# KiCad board 8851_HW-U1-VCU118_REV2-0_071417.kicad_pcb (continued)
## Routing (per net, layer and track width the routed paths; a pad name or vN(x,y) marks a point on that pad's centre or on a via; arc(x,y) is an arc through that point) (continued)
PCIE_TX5_C_N: length 14.7
  TOP w0.145: v3(85.09,15.33) 85.16,15.4 85.16,16.7
  10_GND w0.16: v3(85.09,15.33) 84.77,15.01 arc(84.74,14.96) 84.72,14.9 84.72,14.7 arc(85.16,14.79) 84.79,14.54 arc(84.89,14.39) 84.92,14.21 84.92,6.2 arc(84.97,5.99) 85.08,5.82 85.14,5.76 arc(85.25,5.6) 85.29,5.41 U2.A40
PCIE_TX5_C_P: length 15.9
  TOP w0.145: 84.03,16.7 84.03,15.4 v3(84.1,15.33)
  10_GND w0.16: U2.A39 84.3,5.52 arc(84.32,5.62) 84.38,5.7 84.52,5.85 arc(84.63,6.01) 84.67,6.19 84.67,14.21 arc(84.65,14.29) 84.61,14.35 arc(85.4,14.88) 84.46,14.7 84.46,14.9 arc(84.45,14.96) 84.42,15.01 v3(84.1,15.33)
PCIE_TX5_N: length 60.2
  TOP w0.145: 85.16,17.69 85.16,18.67 v3(85.09,18.74) ; v2(123.26,47.09) 122.77,47.58
  07_SIG3 w0.18: v3(85.09,18.74) 84.81,19.01 arc(85.31,19.34) 84.72,19.23 84.72,19.39 arc(84.8,19.57) 84.99,19.65 86.28,19.65 arc(86.56,19.7) 86.79,19.86 87.04,20.11 arc(87.23,20.19) 87.42,20.11 87.44,20.09 arc(87.82,20.09) 87.82,20.47 87.8,20.49 arc(88.18,20.49) 88.18,20.87 88.24,20.81 arc(88.62,20.81) 88.62,21.2 88.56,21.25 arc(89.02,21.44) 88.56,21.63 89.88,22.95 arc(90.04,23.06) 90.23,23.09 94.18,23.09 arc(95.42,23.34) 96.47,24.04 99.7,27.27 arc(100.16,27.58) 100.7,27.68 103.15,27.68 arc(103.64,27.78) 104.06,28.06 106.64,30.64 arc(107,31.18) 107.13,31.83 arc(107.18,32.16) 107.34,32.47 arc(107.39,32.53) 107.45,32.6 109.38,34.53 arc(109.61,34.68) 109.88,34.74 111.26,34.74 arc(111.59,34.8) 111.86,34.98 117.09,40.22 arc(117.29,40.45) 117.44,40.73 arc(117.45,40.76) 117.46,40.79 117.46,40.79 arc(117.49,40.91) 117.5,41.03 117.5,41.37 arc(118.22,41.22) 117.61,41.63 117.74,41.76
  07_SIG3 w0.234: 117.74,41.76 arc(117.82,41.89) 117.85,42.04 117.85,42.25 arc(117.86,42.34) 117.89,42.42 arc(117.9,42.43) 117.9,42.45 arc(117.91,42.45) 117.91,42.45 arc(117.92,42.47) 117.92,42.48 arc(117.93,42.48) 117.93,42.48 arc(117.94,42.5) 117.96,42.53 arc(118.11,42.63) 118.29,42.66 arc(118.51,42.7) 118.7,42.83 118.76,42.89 arc(118.82,42.98) 118.84,43.07 arc(118.85,43.22) 118.89,43.36 arc(119.04,43.57) 119.29,43.64 120.42,43.64 arc(120.69,43.76) 120.8,44.03 120.8,45.13 arc(120.83,45.26) 120.9,45.37 121.01,45.48 arc(121.16,45.58) 121.34,45.61 arc(121.66,45.74) 121.79,46.06 arc(121.95,46.44) 122.32,46.6 122.77,46.6 arc(123.12,46.74) v2(123.26,47.09)
PCIE_TX5_P: length 58.2
  TOP w0.145: v3(84.1,18.74) 84.03,18.67 84.03,17.69 ; v2(123.26,48.07) 122.77,48.57
  07_SIG3 w0.18: v3(84.1,18.74) 84.31,18.94 arc(84.39,19.07) 84.42,19.23 84.42,19.39 arc(84.59,19.79) 84.99,19.95 86.28,19.95 arc(86.44,19.98) 86.58,20.07 89.66,23.16 arc(89.92,23.33) 90.23,23.39 94.18,23.39 arc(95.31,23.62) 96.26,24.25 99.49,27.48 arc(100.04,27.85) 100.7,27.98 103.15,27.98 arc(103.53,28.06) 103.85,28.27 106.43,30.85 arc(106.73,31.3) 106.83,31.83 arc(106.9,32.26) 107.1,32.64 107.1,32.67 109.17,34.74 arc(109.5,34.96) 109.88,35.04 111.26,35.04 arc(111.47,35.08) 111.65,35.19 116.88,40.43 arc(117.04,40.62) 117.16,40.84 117.16,41.34 arc(117.11,41.59) 116.97,41.8
  07_SIG3 w0.234: v2(123.26,48.07) 122.94,47.75 arc(122.75,47.63) 122.53,47.58 122.28,47.58 arc(121.93,47.44) 121.79,47.09 121.79,47.04 arc(121.78,46.95) 121.76,46.87 arc(121.59,46.66) 121.32,46.57 121.26,46.57 arc(120.94,46.44) 120.8,46.12 arc(120.66,45.76) 120.3,45.61 arc(119.96,45.47) 119.82,45.13 arc(119.79,44.96) 119.69,44.82 119.6,44.73 arc(119.56,44.69) 119.51,44.66 arc(119.43,44.64) 119.35,44.63 119.23,44.63 arc(118.95,44.51) 118.84,44.23 118.84,44.11 arc(118.7,43.78) 118.38,43.64 117.34,43.64 arc(117.16,43.61) 117.01,43.51 arc(116.88,43.32) 116.84,43.1 116.84,42.12 arc(117.7,42.29) 116.97,41.8
PCIE_TX6_C_N: length 14.3
  TOP w0.145: 89.44,15.13 89.44,13.82 v3(89.37,13.75)
  10_GND w0.16: v3(89.37,13.75) 89.06,13.44 arc(88.91,13.22) 88.86,12.95 88.86,6.06 arc(89.78,6.25) 89,5.73 89.1,5.63 arc(89.19,5.49) 89.22,5.33 U2.A44
PCIE_TX6_C_P: length 11.9
  TOP w0.145: v3(88.39,13.75) 88.32,13.82 88.32,15.13
  10_GND w0.16: U2.A43 88.24,5.42 arc(88.26,5.53) 88.32,5.62 88.46,5.76 arc(88.56,5.91) 88.6,6.1 88.6,13.25 arc(88.54,13.52) v3(88.39,13.75)
PCIE_TX6_N: length 73.8
  TOP w0.145: v3(89.37,17.49) 89.44,17.42 89.44,16.11 ; v2(125.23,47.09) 124.74,47.58
  05_SIG2 w0.18: v3(89.37,17.49) 89.08,17.78 arc(89.38,17.97) 89.03,17.9 89.03,18.26 arc(89.16,18.55) 89.45,18.68 arc(90.25,18.84) 90.93,19.29 91.83,20.19 arc(92.06,20.28) 92.28,20.19 arc(92.5,20.1) 92.72,20.19 92.79,20.26 arc(92.88,20.48) 92.79,20.7 arc(93.32,20.92) 92.79,21.14 93.11,21.47 arc(93.48,21.71) 93.92,21.8 94.31,21.8 arc(94.89,21.92) 95.38,22.25 95.57,22.43 arc(95.76,22.51) 95.95,22.43 arc(96.07,22.38) 96.2,22.43 96.46,22.68 arc(96.51,22.81) 96.46,22.94 arc(96.91,23.13) 96.46,23.32 96.58,23.45 arc(96.77,23.53) 96.96,23.45 arc(97.15,23.37) 97.34,23.45 97.47,23.58 arc(97.55,23.77) 97.47,23.96 arc(97.93,24.15) 97.47,24.34 98.97,25.83 arc(99.78,26.37) 100.73,26.56 103.28,26.56 arc(104.26,26.76) 105.09,27.31 arc(105.75,27.75) 106.53,27.91 110.96,27.91 arc(112.23,28.16) 113.31,28.88 115.01,30.59 arc(115.17,30.82) 115.22,31.09 arc(115.26,31.28) 115.37,31.44 115.59,31.66 arc(115.92,31.88) 116.31,31.96 116.44,31.96 116.44,31.96 arc(117.57,32.23) 118.53,32.88 119.35,33.7 arc(119.6,34.07) 119.68,34.51 119.68,36.76 arc(124.1,35.89) 120.36,38.39 121.05,39.08 arc(121.33,39.5) 121.43,40 121.43,40.25 arc(121.43,40.27) 121.43,40.28 arc(122.12,40.17) 121.53,40.55
  05_SIG2 w0.234: 121.53,40.55 121.65,40.67 arc(121.75,40.82) 121.79,41 121.79,45.13 arc(121.93,45.47) 122.27,45.61 123.48,45.61 arc(123.68,45.69) 123.76,45.89 123.76,46.11 arc(123.9,46.45) 124.24,46.6 arc(124.43,46.63) 124.59,46.74 124.89,47.04 arc(124.94,47.08) 125,47.09 v2(125.23,47.09)
PCIE_TX6_P: length 70.1
  TOP w0.145: v3(88.39,17.49) 88.32,17.42 88.32,16.11 ; v2(125.23,48.07) 124.74,48.57
  05_SIG2 w0.18: v3(88.39,17.49) 88.68,17.78 arc(88.72,17.84) 88.73,17.9 88.73,18.26 arc(88.94,18.77) 89.45,18.98 arc(90.14,19.11) 90.72,19.5 92.9,21.68 arc(93.37,21.99) 93.92,22.1 94.31,22.1 arc(94.78,22.19) 95.17,22.46 98.76,26.04 arc(99.66,26.65) 100.73,26.86 103.28,26.86 arc(104.14,27.03) 104.87,27.52 arc(105.64,28.03) 106.53,28.21 110.96,28.21 arc(112.12,28.44) 113.1,29.1 114.8,30.8 arc(114.89,30.93) 114.92,31.09 arc(114.98,31.4) 115.16,31.65 115.38,31.87 arc(115.81,32.16) 116.31,32.26 arc(116.37,32.26) 116.43,32.26 arc(117.45,32.5) 118.32,33.09 119.14,33.91 arc(119.32,34.18) 119.38,34.51 119.38,36.76 arc(124.37,35.77) 120.14,38.6 120.83,39.29 arc(121.05,39.61) 121.13,40 121.13,40.25 arc(121.1,40.41) 121.01,40.53
  05_SIG2 w0.234: 121.01,40.53 120.9,40.64 arc(120.83,40.75) 120.8,40.88 120.8,46.15 arc(120.93,46.47) 121.25,46.6 123.32,46.6 arc(123.49,46.63) 123.64,46.73 arc(123.73,46.87) 123.76,47.04 123.76,47.26 arc(123.85,47.49) 124.08,47.58 124.5,47.58 arc(124.72,47.63) 124.91,47.75 v2(125.23,48.07)
PCIE_TX7_C_N: length 15.9
  TOP w0.145: 93.73,16.95 93.73,15.65 v3(93.66,15.58)
  10_GND w0.16: v3(93.66,15.58) 93.35,15.26 arc(93.31,15.21) 93.3,15.15 93.3,12.24 arc(93.24,11.95) 93.08,11.7 arc(92.87,11.4) 92.8,11.04 92.8,6.1 arc(93.61,6.26) 92.92,5.8 93.01,5.71 arc(93.12,5.55) 93.16,5.36 U2.A48
PCIE_TX7_C_P: length 13.9
  TOP w0.145: v3(92.68,15.58) 92.61,15.65 92.61,16.95
  10_GND w0.16: v3(92.68,15.58) 92.99,15.26 arc(93.03,15.21) 93.04,15.15 93.04,12.24 arc(93,12.05) 92.89,11.88 arc(92.63,11.49) 92.54,11.04 92.54,5.93 arc(92.53,5.87) 92.5,5.82 92.32,5.64 arc(92.21,5.49) 92.18,5.3 U2.A47
PCIE_TX7_N: length 56.5
  TOP w0.145: 93.73,17.94 93.73,19.24 v3(93.66,19.31) ; 125.73,45.61 v2(126.22,45.12)
  03_SIG1 w0.18: v3(93.66,19.31) 93.33,19.65 arc(93.51,19.77) 93.29,19.73 93.29,19.78 arc(93.29,19.81) 93.3,19.84 arc(93.48,20.2) 93.86,20.35 101.24,20.35 arc(102.21,20.55) 103.03,21.1 arc(103.41,21.35) 103.85,21.44 108.39,21.44 arc(108.98,21.55) 109.49,21.89 110.03,22.44 arc(110.53,22.77) 111.11,22.89 114.94,22.89 arc(115.87,23.07) 116.67,23.6 119.03,25.96 arc(120.22,26.76) 121.63,27.04 123.05,27.04 arc(123.72,27.17) 124.29,27.55 125.96,29.22 arc(126.18,29.54) 126.3,29.92 126.34,30.27 arc(126.34,30.29) 126.34,30.31 126.34,40.48 arc(126.36,40.57) 126.41,40.65 126.43,40.67
  03_SIG1 w0.234: 126.43,40.67 126.61,40.85 arc(126.68,40.96) 126.71,41.09 126.71,45.28 arc(126.46,45.53) 126.22,45.28 v2(126.22,45.12)
PCIE_TX7_P: length 57
  TOP w0.145: 92.61,17.94 92.61,19.24 v3(92.68,19.31) ; 125.73,46.6 v2(126.22,46.11)
  03_SIG1 w0.18: v3(92.68,19.31) 92.79,19.42 arc(92.93,19.62) 92.99,19.86 93,19.86 arc(93.27,20.43) 93.86,20.65 101.24,20.65 arc(102.09,20.82) 102.82,21.31 arc(103.29,21.63) 103.85,21.74 108.39,21.74 arc(108.87,21.83) 109.27,22.1 109.82,22.65 arc(110.41,23.05) 111.11,23.19 114.94,23.19 arc(115.76,23.35) 116.46,23.82 118.81,26.17 arc(120.1,27.03) 121.63,27.34 123.05,27.34 arc(123.6,27.45) 124.08,27.76 125.74,29.43 arc(125.91,29.67) 126,29.95 126.04,30.31 126.04,40.22 arc(126.02,40.41) 125.96,40.59
  03_SIG1 w0.234: v2(126.22,46.11) 125.79,45.68 arc(125.74,45.61) 125.73,45.52 125.73,40.99 arc(126.16,41.07) 125.79,40.83 arc(125.84,40.78) 125.88,40.72 arc(125.92,40.66) 125.96,40.59
PCIE_TX8_C_N: length 15.9
  TOP w0.145: v3(98.08,15.58) 98.15,15.65 98.15,16.95
  10_GND w0.16: U2.A53 98.08,5.25 arc(98.04,5.45) 97.93,5.63 97.85,5.7 arc(98.59,6.19) 97.72,6.02 97.72,6.16 97.72,6.16 97.72,15.02 arc(97.76,15.2) 97.86,15.36 v3(98.08,15.58)
PCIE_TX8_C_P: length 13.8
  TOP w0.145: v3(97.1,15.58) 97.03,15.65 97.03,16.95
  10_GND w0.16: U2.A52 97.1,5.27 arc(97.14,5.48) 97.25,5.65 97.36,5.76 arc(97.43,5.87) 97.46,6 97.46,6.26 97.46,15.02 arc(97.42,15.2) 97.32,15.36 v3(97.1,15.58)
PCIE_TX8_N: length 54.6
  TOP w0.145: 98.15,17.94 98.15,19.24 v3(98.08,19.31) ; v2(127.2,47.09) 126.71,47.58
  05_SIG2 w0.18: v3(98.08,19.31) 97.79,19.6 arc(98.09,19.8) 97.74,19.73 97.74,19.91 arc(97.79,20.03) 97.92,20.09 97.98,20.09 arc(98.16,20.16) 98.23,20.33 98.23,20.56 arc(98.16,20.74) 97.98,20.81 arc(98.16,21.22) 97.74,21.05 97.74,21.28 arc(97.81,21.66) 98.03,21.98 98.62,22.58 arc(98.96,22.8) 99.36,22.88 100.55,22.88 arc(101.05,22.98) 101.48,23.26 101.7,23.48 arc(101.92,23.58) 102.14,23.48 102.27,23.35 arc(102.78,23.35) 102.78,23.86 102.68,23.96 arc(103.29,24.21) 102.68,24.47 103.08,24.87 arc(103.28,25) 103.52,25.05 105.49,25.05 arc(106.28,25.21) 106.95,25.65 107.41,26.11 arc(108.17,26.62) 109.07,26.8 111.07,26.8 arc(113.05,27.19) 114.72,28.31 116.95,30.54 arc(117.4,30.84) 117.92,30.94 arc(118.41,31.04) 118.82,31.31 120.15,32.64 arc(120.7,33.46) 120.89,34.44 120.89,35.86 arc(121.08,36.8) 121.61,37.6 123.14,39.13 arc(123.33,39.41) 123.4,39.74 123.4,40.34 arc(123.42,40.46) 123.48,40.56
  05_SIG2 w0.234: v2(127.2,47.09) 127.11,46.99 arc(126.7,46.72) 126.22,46.62 arc(126.04,46.59) 125.9,46.49 125.79,46.39 arc(125.74,46.31) 125.73,46.22 125.73,45.18 arc(125.56,44.79) 125.18,44.63 125.15,44.63 arc(125.07,44.62) 125,44.6 arc(124.99,44.6) 124.99,44.59 arc(124.99,44.59) 124.99,44.59 arc(124.93,44.56) 124.87,44.51 124.82,44.46 arc(124.79,44.43) 124.77,44.38 arc(125.29,44.21) 124.74,44.27 124.74,44.02 arc(124.63,43.75) 124.37,43.64 arc(123.94,43.47) 123.76,43.03 123.76,40.93 arc(123.74,40.84) 123.68,40.76 123.48,40.56
PCIE_TX8_P: length 64.9
  TOP w0.145: v2(127.2,48.07) 126.71,48.57 ; v3(97.1,19.31) 97.03,19.24 97.03,17.94
  05_SIG2 w0.18: v3(97.1,19.31) 97.39,19.6 arc(97.43,19.66) 97.44,19.73 97.44,21.28 arc(97.54,21.78) 97.82,22.19 98.41,22.79 arc(98.85,23.08) 99.36,23.18 100.55,23.18 arc(100.94,23.26) 101.27,23.48 102.87,25.08 arc(103.17,25.28) 103.52,25.35 105.49,25.35 arc(106.17,25.48) 106.73,25.86 107.19,26.32 arc(108.06,26.9) 109.07,27.1 111.07,27.1 arc(112.93,27.47) 114.51,28.52 116.74,30.75 arc(117.28,31.11) 117.92,31.24 arc(118.29,31.32) 118.61,31.53 119.51,32.42 arc(119.51,32.42) 119.51,32.42 119.94,32.85 arc(120.42,33.58) 120.59,34.44 120.59,35.86 arc(125.91,34.8) 121.4,37.81 122.93,39.34 arc(123.05,39.53) 123.1,39.74 123.1,40.25 arc(123.07,40.41) 122.98,40.53
  05_SIG2 w0.234: 122.98,40.53 122.87,40.64 arc(123.41,41) 122.77,40.88 122.77,43.33 arc(122.86,43.55) 123.09,43.64 123.43,43.64 arc(123.53,43.67) 123.62,43.73 123.63,43.74 arc(123.72,43.87) 123.76,44.03 123.76,44.21 arc(123.88,44.51) 124.17,44.63 arc(124.54,44.76) 124.73,45.1 arc(124.74,45.15) 124.74,45.2 124.74,46.14 arc(124.87,46.46) 125.2,46.59 125.25,46.59 arc(125.52,46.67) 125.71,46.88 arc(125.73,46.93) 125.74,46.98 125.74,47.17 arc(125.85,47.44) 126.11,47.55 126.58,47.55 arc(126.67,47.57) 126.75,47.62 v2(127.2,48.07)
PCIE_TX9_C_N: length 13.1
  TOP w0.145: v3(102.02,14) 102.09,14.07 102.09,15.38
  10_GND w0.16: U2.A57 102.02,5.31 arc(101.98,5.49) 101.88,5.65 101.71,5.81 arc(102.02,6.02) 101.66,5.95 101.66,13.44 arc(101.69,13.63) 101.8,13.78 v3(102.02,14)
PCIE_TX9_C_P: length 12.2
  TOP w0.145: v3(101.03,14) 100.96,14.07 100.96,15.38
  10_GND w0.16: U2.A56 101.03,5.13 arc(101.09,5.41) 101.24,5.64 101.34,5.74 arc(101.38,5.8) 101.4,5.88 101.4,13.13 arc(101.3,13.6) v3(101.03,14)
PCIE_TX9_N: length 50.8
  TOP w0.145: v2(128.19,45.12) 127.69,45.61 ; 102.09,16.36 102.09,17.67 v3(102.02,17.74)
  03_SIG1 w0.18: 128.44,40.71 128.38,40.65 arc(128.33,40.57) 128.31,40.48 128.31,31.39 arc(128,29.82) 127.11,28.48 124.87,26.24 arc(124.43,25.95) 123.92,25.85 123.65,25.85 arc(123.64,25.85) 123.64,25.85 123.07,25.85 arc(122.52,25.74) 122.05,25.43 118.57,21.95 arc(118.1,21.64) 117.55,21.52 111.7,21.52 arc(110.86,21.36) 110.16,20.89 108.32,19.05 arc(107.66,18.61) 106.88,18.45 101.84,18.45 arc(101.71,18.4) 101.65,18.26 101.65,18.15 arc(101.87,18.19) 101.68,18.07 v3(102.02,17.74)
  03_SIG1 w0.234: 128.44,40.71 128.58,40.85 arc(128.65,40.96) 128.68,41.09 128.68,45.27 arc(128.43,45.51) 128.19,45.27 v2(128.19,45.12)
PCIE_TX9_P: length 51.4
  TOP w0.145: v3(101.03,17.74) 100.96,17.67 100.96,16.36 ; 127.69,46.6 v2(128.19,46.11)
  03_SIG1 w0.18: v3(101.03,17.74) 101.2,17.91 arc(101.31,18.07) 101.35,18.26 arc(101.5,18.61) 101.84,18.75 106.88,18.75 arc(107.54,18.89) 108.11,19.26 109.94,21.1 arc(110.75,21.64) 111.7,21.83 117.55,21.83 arc(117.99,21.91) 118.36,22.16 121.84,25.64 arc(122.41,26.02) 123.07,26.15 123.64,26.15 arc(123.65,26.15) 123.65,26.15 123.92,26.15 arc(124.32,26.23) 124.66,26.46 126.89,28.69 arc(127.72,29.93) 128.01,31.39 128.01,40.22 arc(127.97,40.48) 127.86,40.71
  03_SIG1 w0.234: v2(128.19,46.11) 127.76,45.68 arc(127.71,45.61) 127.69,45.52 127.69,40.99 arc(128.13,41.07) 127.76,40.83 arc(127.78,40.8) 127.81,40.78 arc(127.83,40.74) 127.86,40.71
PCIE_TX10_C_N: length 15.9
  TOP w0.145: v3(105.96,15.7) 106.03,15.77 106.03,16.98
  10_GND w0.16: U2.A61 105.95,5.25 arc(105.91,5.45) 105.8,5.62 105.73,5.7 arc(106.47,6.19) 105.59,6.02 105.59,6.16 105.59,6.16 105.59,15.14 arc(105.63,15.33) 105.73,15.48 v3(105.96,15.7)
PCIE_TX10_C_P: length 13.8
  TOP w0.145: v3(104.97,15.7) 104.9,15.77 104.9,16.98
  10_GND w0.16: U2.A60 104.97,5.21 arc(105.02,5.47) 105.17,5.7 105.23,5.76 arc(105.31,5.87) 105.33,6 105.33,6.26 105.33,15.14 arc(105.3,15.33) 105.19,15.48 v3(104.97,15.7)
PCIE_TX10_N: length 46.4
  TOP w0.145: 106.03,17.96 106.03,19.37 v3(105.96,19.44) ; 128.68,47.58 v2(129.17,47.09)
  07_SIG3 w0.18: v3(105.96,19.44) 105.72,19.44 arc(105.64,19.54) 105.61,19.66 arc(105.76,19.97) 106.07,20.09 107.36,20.09 arc(107.77,20.17) 108.11,20.4 113.08,25.37 arc(114.18,26.1) 115.47,26.36 115.78,26.36 arc(116.71,26.54) 117.49,27.07 118.53,28.1 arc(118.72,28.23) 118.94,28.27 119.09,28.27 arc(119.29,28.31) 119.46,28.42 123.23,32.19 arc(123.41,32.32) 123.64,32.36 125.05,32.36 arc(125.48,32.45) 125.85,32.69 128.78,35.62 arc(129.17,36.21) 129.31,36.91 129.31,38.07 arc(129.38,38.22) 129.53,38.29 arc(129.68,38.35) 129.75,38.5 129.75,38.61 arc(129.68,38.76) 129.53,38.83 arc(129.68,39.2) 129.31,39.04 129.31,39.15 arc(129.38,39.3) 129.53,39.37 arc(129.68,39.43) 129.75,39.58 129.75,39.69 arc(129.68,39.84) 129.53,39.91 arc(129.68,40.28) 129.31,40.12 129.31,40.49 arc(129.32,40.58) 129.35,40.66 arc(129.36,40.68) 129.38,40.69 arc(129.39,40.72) 129.41,40.74 129.56,40.89
  07_SIG3 w0.234: v2(129.17,47.09) 129.45,46.81 arc(129.61,46.57) 129.66,46.3 129.66,41.13 arc(129.64,41) 129.56,40.89
PCIE_TX10_P: length 56
  TOP w0.145: v3(104.97,19.44) 104.9,19.37 104.9,17.96 ; 128.68,48.57 v2(129.17,48.07)
  07_SIG3 w0.18: 128.82,40.82 128.9,40.75 arc(128.98,40.62) 129.01,40.47 129.01,36.91 arc(128.9,36.33) 128.57,35.84 125.64,32.9 arc(125.37,32.73) 125.05,32.66 123.64,32.66 arc(123.3,32.6) 123.01,32.4 119.25,28.64 arc(119.18,28.59) 119.09,28.57 118.94,28.57 arc(118.6,28.51) 118.31,28.31 117.28,27.28 arc(116.59,26.82) 115.78,26.66 115.47,26.66 arc(114.06,26.38) 112.87,25.58 107.9,20.61 arc(107.65,20.45) 107.36,20.39 106.07,20.39 arc(105.54,20.18) 105.31,19.66 arc(106.8,19.63) 105.31,19.64 arc(105.3,19.57) 105.26,19.51 105.19,19.44 v3(104.97,19.44)
  07_SIG3 w0.234: v2(129.17,48.07) 128.8,47.7 arc(128.71,47.57) 128.68,47.41 128.68,41.17 arc(129.62,41.36) 128.82,40.82
PCIE_TX11_C_N: length 13.1
  TOP w0.145: v3(109.89,14) 109.96,14.07 109.96,15.38
  10_GND w0.16: U2.A65 109.89,5.24 arc(109.86,5.42) 109.75,5.58 109.59,5.74 arc(109.9,5.95) 109.53,5.88 109.53,13.57 arc(109.54,13.64) 109.58,13.69 v3(109.89,14)
PCIE_TX11_C_P: length 14.5
  TOP w0.145: 108.84,15.38 108.84,14.07 v3(108.91,14)
  10_GND w0.16: U2.A64 108.91,5.23 arc(109.83,5.05) 109.05,5.57 109.21,5.74 arc(109.26,5.8) 109.27,5.88 109.27,13.57 arc(109.26,13.64) 109.22,13.69 v3(108.91,14)
PCIE_TX11_N: length 44.8
  TOP w0.145: v3(109.89,17.74) 109.96,17.67 109.96,16.36 ; v2(130.15,45.12) 129.66,45.61
  03_SIG1 w0.18: v3(109.89,17.74) 109.56,18.07 arc(109.74,18.19) 109.53,18.15 109.53,18.48 arc(109.54,18.55) 109.58,18.61 111.08,20.12 arc(111.34,20.29) 111.65,20.35 117.07,20.35 arc(120.38,21.01) 123.19,22.88 128.46,28.15 arc(129.81,30.17) 130.28,32.55 130.28,41.47 arc(130.3,41.56) 130.35,41.63
  03_SIG1 w0.234: v2(130.15,45.12) 130.15,45.28 arc(130.4,45.53) 130.65,45.28 130.65,42.07 arc(130.62,41.94) 130.55,41.83 130.35,41.63
PCIE_TX11_P: length 45.3
  TOP w0.145: 108.84,16.36 108.84,17.67 v3(108.91,17.74) ; 129.66,46.6 v2(130.15,46.11)
  03_SIG1 w0.18: v3(108.91,17.74) 109.16,17.99 arc(109.21,18.06) 109.23,18.15 109.23,18.48 arc(109.26,18.67) 109.37,18.82 110.68,20.14 110.77,20.22 110.87,20.33 arc(111.23,20.57) 111.65,20.65 117.07,20.65 arc(120.27,21.29) 122.98,23.1 128.25,28.36 arc(129.53,30.28) 129.98,32.55 129.98,41.21 arc(129.96,41.4) 129.89,41.58
  03_SIG1 w0.234: v2(130.15,46.11) 129.73,45.68 arc(129.68,45.61) 129.66,45.52 129.66,41.97 arc(130.1,42.06) 129.73,41.81 arc(129.77,41.76) 129.82,41.71 arc(129.86,41.65) 129.89,41.58
PCIE_TX12_C_N: length 16
  TOP w0.145: 113.9,17.08 113.9,15.77 v3(113.83,15.7)
  10_GND w0.16: v3(113.83,15.7) 113.51,15.39 arc(113.48,15.34) 113.47,15.27 113.47,6.16 113.47,6.16 113.47,6.02 arc(114.33,6.19) 113.6,5.7 113.67,5.63 arc(113.79,5.45) 113.83,5.25 U2.A69
PCIE_TX12_C_P: length 16.4
  TOP w0.145: v3(112.85,15.7) 112.78,15.77 112.78,17.08
  10_GND w0.16: U2.A68 112.84,5.27 arc(113.87,5.07) 113,5.65 113.11,5.76 arc(113.18,5.87) 113.21,6 113.21,6.26 113.21,15.27 arc(113.2,15.34) 113.16,15.39 v3(112.85,15.7)
PCIE_TX12_N: length 40.7
  TOP w0.145: 113.9,18.06 113.9,19.37 v3(113.83,19.44) ; v2(132.12,45.12) 131.63,45.61
  07_SIG3 w0.18: v3(113.83,19.44) 113.5,19.77 arc(113.68,19.89) 113.46,19.85 113.46,21.18 arc(113.5,21.39) 113.62,21.56 115.5,23.44 arc(115.72,23.59) 115.98,23.64 116.36,23.64 arc(116.69,23.71) 116.97,23.89 120.3,27.22 arc(120.48,27.34) 120.69,27.39 121.03,27.39 arc(121.34,27.45) 121.59,27.62 122.38,28.41 arc(122.5,28.58) 122.54,28.78 122.54,29.11 arc(122.63,29.6) 122.91,30.01 123.33,30.43 arc(123.94,30.84) 124.65,30.98 125.37,30.98 arc(125.69,31.04) 125.97,31.23 132.02,37.28 arc(132.2,37.55) 132.26,37.87 132.26,38.63 arc(132.33,38.78) 132.48,38.84 arc(132.63,38.91) 132.7,39.06 132.7,39.17 arc(132.63,39.32) 132.48,39.38 arc(132.63,39.75) 132.26,39.6 132.26,39.71 arc(132.33,39.86) 132.48,39.92 arc(132.63,39.99) 132.7,40.14 132.7,40.25 arc(132.63,40.4) 132.48,40.46 arc(132.63,40.83) 132.26,40.68 132.26,41.11 arc(132.29,41.26) 132.38,41.39 132.51,41.52
  07_SIG3 w0.234: v2(132.12,45.12) 132.4,44.84 arc(132.56,44.61) 132.62,44.33 132.62,41.78 arc(132.59,41.64) 132.51,41.52
PCIE_TX12_P: length 50.1
  TOP w0.145: 112.78,18.06 112.78,19.37 v3(112.85,19.44) ; 131.63,46.6 v2(132.12,46.11)
  07_SIG3 w0.18: v3(112.85,19.44) 113.16,19.75 arc(113.16,19.76) 113.16,19.76 113.16,21.18 arc(114.78,20.86) 113.41,21.78 115.29,23.65 arc(115.6,23.87) 115.98,23.94 116.36,23.94 arc(116.57,23.98) 116.76,24.1 120.08,27.43 arc(120.36,27.62) 120.69,27.69 121.03,27.69 arc(121.22,27.72) 121.38,27.83 122.17,28.62 arc(122.22,28.69) 122.24,28.78 122.24,29.11 arc(125.25,28.51) 122.7,30.22 123.12,30.64 arc(123.82,31.11) 124.65,31.28 125.37,31.28 arc(125.58,31.32) 125.75,31.44 131.81,37.49 arc(131.92,37.67) 131.96,37.87 131.96,41.03 arc(131.91,41.3) 131.75,41.54
  07_SIG3 w0.234: v2(132.12,46.11) 131.75,45.73 arc(131.66,45.6) 131.63,45.44 131.63,41.83 arc(131.66,41.67) 131.75,41.54
PCIE_TX13_C_N: length 13.1
  TOP w0.145: v3(117.77,14) 117.84,14.07 117.84,15.38
  10_GND w0.16: v3(117.77,14) 117.45,13.69 arc(117.42,13.64) 117.4,13.57 117.4,5.88 arc(117.77,5.95) 117.46,5.74 117.63,5.58 arc(117.73,5.42) 117.77,5.24 U2.A73
PCIE_TX13_C_P: length 14.5
  TOP w0.145: v3(116.78,14) 116.71,14.07 116.71,15.38
  10_GND w0.16: v3(116.78,14) 117.1,13.69 arc(117.13,13.64) 117.14,13.57 117.14,5.88 arc(117.13,5.8) 117.09,5.74 116.92,5.57 arc(117.71,5.05) 116.78,5.23 U2.A72
PCIE_TX13_N: length 39.6
  TOP w0.145: 117.84,16.36 117.84,17.67 v3(117.77,17.74) ; v2(134.09,45.12) 133.6,45.61
  07_SIG3 w0.18: v3(117.77,17.74) 117.43,18.07 arc(117.62,18.19) 117.4,18.15 117.4,18.35 arc(117.42,18.46) 117.48,18.55 132.85,33.92 arc(133.87,35.45) 134.23,37.26 134.23,38.78 arc(134.3,38.94) 134.46,39 arc(134.62,39.07) 134.68,39.23 134.68,39.32 arc(134.62,39.48) 134.46,39.54 arc(134.62,39.93) 134.23,39.77 134.23,39.86 arc(134.3,40.02) 134.46,40.08 arc(134.62,40.15) 134.68,40.31 134.68,40.4 arc(134.62,40.56) 134.46,40.62 arc(134.62,41.01) 134.23,40.85 134.23,41.09 arc(134.27,41.26) 134.36,41.41 134.48,41.52
  07_SIG3 w0.234: v2(134.09,45.12) 134.37,44.84 arc(134.53,44.61) 134.58,44.33 134.58,41.78 arc(134.56,41.64) 134.48,41.52
PCIE_TX13_P: length 37.6
  TOP w0.145: 116.71,16.36 116.71,17.67 v3(116.78,17.74) ; 133.6,46.6 v2(134.09,46.11)
  07_SIG3 w0.18: v3(116.78,17.74) 117.05,18 arc(117.09,18.06) 117.1,18.13 117.1,18.35 arc(117.14,18.58) 117.27,18.77 132.63,34.13 arc(133.6,35.57) 133.93,37.26 133.93,41.03 arc(133.93,41.05) 133.93,41.07 arc(133.87,41.33) 133.72,41.54
  07_SIG3 w0.234: v2(134.09,46.11) 133.72,45.73 arc(133.63,45.6) 133.6,45.44 133.6,41.83 arc(133.63,41.67) 133.72,41.54
PCIE_TX14_C_N: length 14.2
  TOP w0.145: v3(122.58,15.7) 122.65,15.77 122.65,17.08
  10_GND w0.16: U2.A77 121.7,5.16 arc(121.65,5.45) 121.48,5.69 arc(121.37,5.87) 121.33,6.08 121.33,11.49 arc(121.4,11.85) 121.6,12.15 arc(122.06,12.83) 122.22,13.64 122.22,15.27 arc(122.23,15.34) 122.26,15.39 v3(122.58,15.7)
PCIE_TX14_C_P: length 14.2
  TOP w0.145: 121.52,17.08 121.52,15.77 v3(121.59,15.7)
  10_GND w0.16: U2.A76 120.72,5.37 arc(120.75,5.51) 120.82,5.62 120.91,5.71 arc(121.02,5.88) 121.06,6.08 arc(121.06,6.08) 121.06,6.08 121.06,11.49 arc(121.16,11.94) 121.42,12.33 arc(121.82,12.93) 121.96,13.64 121.96,15.27 arc(121.94,15.34) 121.91,15.39 v3(121.59,15.7)
PCIE_TX14_N: length 51.4
  TOP w0.145: 122.65,18.06 122.65,19.37 v3(122.58,19.44) ; 135.57,45.61 v2(136.06,45.12)
  05_SIG2 w0.18: 136.38,41.79 arc(136.25,41.59) 136.2,41.35 136.2,41.27 arc(135.96,40.07) 135.28,39.05 132.46,36.23 arc(138.3,32.33) 131.41,33.7 131.41,32.58 arc(131.4,32.25) 131.35,31.92 arc(131.27,31.6) 131.16,31.29 131.13,31.23 arc(130.78,30.56) 130.3,29.98 125.38,25.06 124.84,24.52 arc(123.99,23.24) 123.69,21.74 123.69,21.69 arc(123.6,21.27) 123.36,20.91 arc(123.12,20.75) 122.83,20.69 arc(122.62,20.65) 122.44,20.53 122.42,20.51 arc(122.32,20.35) 122.28,20.17 arc(122.36,19.77) v3(122.58,19.44)
  05_SIG2 w0.234: v2(136.06,45.12) 136.06,45.3 arc(136.09,45.43) 136.16,45.55 arc(136.31,45.61) 136.46,45.55 arc(136.53,45.45) 136.55,45.34 136.55,42.19 arc(136.51,41.97) 136.38,41.79
PCIE_TX14_P: length 59.3
  TOP w0.145: v3(121.59,19.44) 121.52,19.37 121.52,18.06 ; 135.57,46.6 v2(136.06,46.11)
  05_SIG2 w0.18: v3(121.59,19.44) 121.74,19.58 arc(121.91,19.85) 121.98,20.16 arc(121.98,20.16) 121.98,20.17 arc(122.04,20.47) 122.21,20.73 122.23,20.74 arc(122.5,20.92) 122.83,20.99 arc(123,21.02) 123.15,21.12 arc(123.32,21.38) 123.39,21.69 123.39,21.74 arc(123.71,23.36) 124.63,24.73 130.09,30.19 arc(130.53,30.73) 130.85,31.34 130.88,31.4 arc(130.98,31.69) 131.05,31.98 arc(131.1,32.28) 131.11,32.58 131.11,33.7 arc(138.58,32.21) 132.25,36.44 135.07,39.26 arc(135.69,40.18) 135.9,41.27 135.9,41.47 arc(137.4,41.45) 135.9,41.5 arc(135.87,41.68) 135.76,41.84
  05_SIG2 w0.234: v2(136.06,46.11) 135.68,45.73 arc(136.32,45.3) 135.57,45.45 135.57,42.15 arc(135.59,42.04) 135.65,41.95 135.76,41.84
PCIE_TX15_C_N: length 13.1
  TOP w0.145: v3(125.64,14) 125.71,14.07 125.71,15.38
  10_GND w0.16: v3(125.64,14) 125.33,13.69 arc(125.29,13.64) 125.28,13.57 125.28,5.88 arc(125.64,5.95) 125.33,5.74 125.5,5.58 arc(125.6,5.42) 125.64,5.24 U2.A81